# Altium PCB PCB1.PcbDoc (continued)
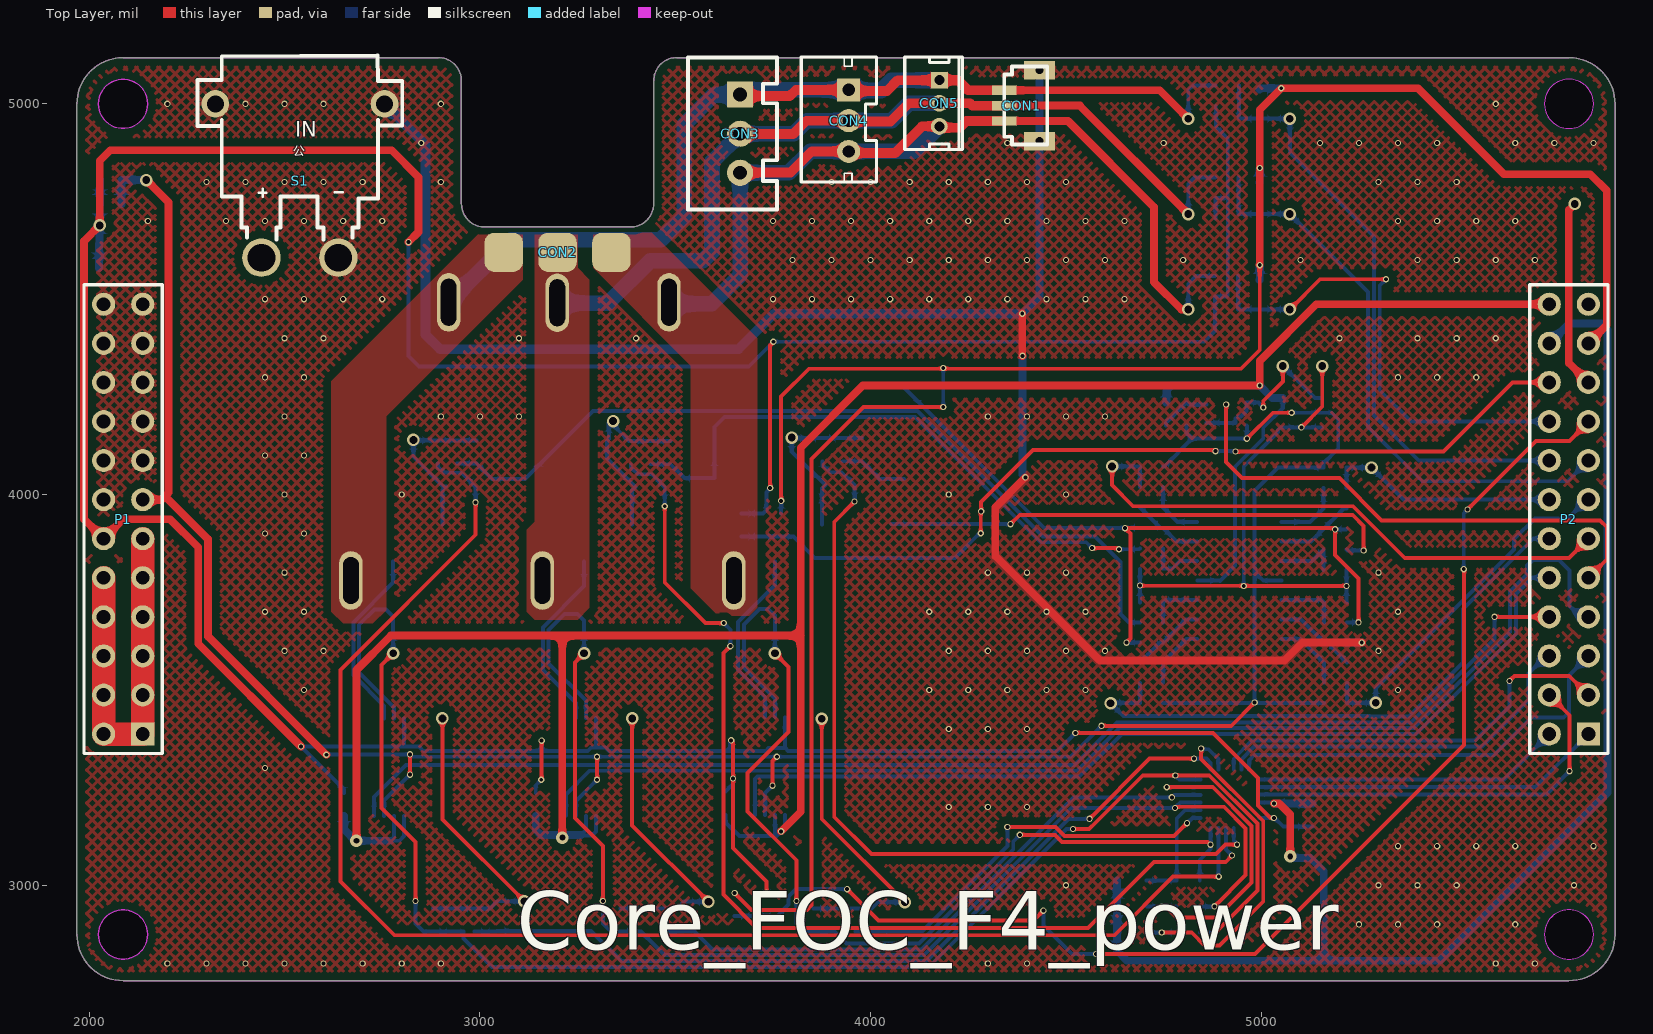
[diagram p0: Top Layer view]
## Nets (pads, with @x,y where several pads share a name; then routed paths per layer and width w, separated by ;. In a path a pad name is that pad's centre, name@x,y a point inside that pad or via, vN(x,y) a via of type N, cw(c..) or ccw(c..) an arc to the next point about the centre after c; other vN are vias at no path point)
3V3: D10.2 D11.2 D12.2 P2.21 R33.1 R34.1 | length 5606.3
  Top Layer w10: v1(3652,2980) 3695,2937 3837,2937 3849,2949 3849,4091 3982,4224 v1(4186,4224) ; v1(3771,3984) 3771,4251 3842,4322 4186,4322 4947.72,4322 4996,4370.28 v1(4996,4587)
  Top Layer w20: v1(4996,4587) 4995,4588 4996,4589 v1(4996,4836) 4996,4985 v1(5051,5040) 5401,5040 5621,4820 5842,4820 5884,4778 5884,4434 P2.21
  Bottom Layer w10: R34.1 v1(3771,3984) ; v1(4186,4224) v1(4186,4324)
  Bottom Layer w20: D12.2 4996,4549.92 v1(4996,4587) ; D11.2 4996,4799.72 v1(4996,4836) ; D10.2 4998.28,5040 v1(5051,5040)
5V: P2.19 pad7.1 | length 482.9
  Top Layer w20: v2@5802,4743 5787,4728 5787,4337.02 P2.19
  other v2: 5802,4744
12V: C16.2 C17.2 D1.1 D2.1 D3.1 P2.22 U1.4 | length 3616.3
  Top Layer w20: v1(5032.43,3209.45) 5045.55,3209.45 5074,3181 v3(5074,3074)
  Bottom Layer w10: U1.4 5028.52,3211.74 5030.81,3209.45 v1(5032.43,3209.45)
  Bottom Layer w20: D1.1 4631,2832 4656,2807 5160,2807 ; D3.1@4631.1,2878.7 D3.1@4632.2,2879.8 ; v1(5032.43,3209.45) 5032.88,3209 C17.2 ; v3@5072.9,3072.9 v3(5074,3074) 5078,3070 5125,3070 5160,3035 5160,2807 ; P2.22 5788,4438 5870,4438 5886,4422 5886,3237 5456,2807 5160,2807
A3V3: C1.2 C2.2 C18.2 IC1.5 IC1.6 IC2.5 IC2.6 IC3.5 IC3.6 IC4.5 IC5.4 P2.24 R6.1 | length 7076.2
  Top Layer w20: v3(2684,3114) 2684,3551 2772,3639 3211,3639 ; v3(3211,3122) 3211,3639 ; v1(3771,3138) 3821,3188 3821,3639 ; P2.24 5141.01,4487.01 4996,4342 v1(4996,4279) 3980,4279 3821,4120 3821,3639 ; 3211,3639 3821,3639
  Bottom Layer w10: IC1.6 2780.49,3123.49 2771,3114 2794,3114 2806.08,3126.08 IC1.5 ; IC2.6 3271.49,3141.22 3259,3128.73 3260.73,3127 3287,3127 3297.08,3137.08 IC2.5 ; C18.2 3629,3161 3664,3126 3758.76,3126 ; IC3.6 3755.49,3129.27 3758.76,3126 ; IC3.5 3781.08,3148.32 3758.76,3126 ; IC5.4 4893,3780 4894,3779 4933,3818 4933,4071.21 5005,4143.21 5005,4171 5055,4221 IC4.5
  Bottom Layer w20: C1.2 2652,3143 2681,3114 v3(2684,3114) 2771,3114 ; C2.2 3143,3142 3156.27,3128.73 3259,3128.73 ; R6.1 4758.17,4237.69 4758.17,4267.28 4769.88,4279 v1(4996,4279) 5028.2,4246.8 IC4.5
AGND: C19.1 C23.1 C27.1 C30.1 C31.1 IC1.7 IC2.7 IC3.7 IC4.2 IC5.11 P1.13 R2.2 R4.2 R8.2 | length 6771.9
  Top Layer w10: v1(2821,3283) v1(2821,3335) ; v1(3300,3270) v1(3300,3329) ; v1(3749,3255) 3749,3318 v1(3760,3329) ; v1(4591,3408) 4923,3408 v1(4983,3468) ; v1(4963,4143) 5029.4,4209.4 v1(5077.6,4209.4)
  Top Layer w20: P1.13 2185.01,3987.01 2194,3996 ; v2(2146,4805) 2203,4748 2203,4005 2194,3996 ; v1(2607,3334) 2304,3637 2304,3886.01 2194,3996
  Bottom Layer w10: v1(2607,3334) 2608,3335 v1(2821,3335) 2827,3329 v1(3300,3329) v1(3760,3329) 4512,3329 v1(4591,3408) ; IC1.7 2754.9,3216.9 v1(2821,3283) ; IC2.7 3245.9,3215.9 v1(3300,3270) ; IC3.7 3729.9,3235.9 v1(3749,3255) ; C23.1 v1@4979,3467 ; C30.1 4752,4072 4823,4143 ; R8.2 4808,4158 4823,4143 ; C19.1 4963,4175.47 v1(4963,4143) 4823,4143 ; IC5.11 5005,3780 4983,3802 ; v1@5077,4210 v1(5077.6,4209.4) IC4.2 5179.6,4209.4 5197,4192 5197,4118 5159,4080 C31.1 5043,4069 4983,4009 4983,3802 ; C27.1 v1@4979,3467 ; v1@4979,3467 4983,3471 4983,3802
  Bottom Layer w20: R4.2 R2.2 v2(2146,4805)
DAC: P2.9 R5.1 | length 1339.8
  Top Layer w10: v1(4910,4230.62) 4910,4083 4951,4042 5200,4042 5308,3934 5867,3934 5884,3917 5884,3834 P2.9
DCBUS: C6.2 C7.2 C8.2 C9.2 C10.2 C11.2 C12.2 C13.2 C14.2 C15.2 P1.1 P1.2 P1.3 P1.4 P1.5 P1.6 P1.7 P1.8 P1.9 P1.10 P1.11 Q1.2 Q2.2 Q3.2 S1.1 | length 1000
  Top Layer w60: P1.10 P1.8 P1.6 P1.4 P1.2 P1.1 P1.3 P1.5 P1.7 P1.9 P1.11
GND: C1.1 C2.1 C16.1 C17.1 C18.1 C28.1 C29.1 C32.1 C33.1 C34.1 IC1.4 IC2.4 IC3.4 NTC1.2 NTC2.2 P1.12 R1.2 R2.1 R3.2 R4.1 R53.2 R54.2 R55.2 U1.6 | length 10703.5
  Top Layer w10: v1(3157,3270) 3158,3270 v1(3158,3370) ; v1(3643,3371) 3648,3366 v1(3648,3273) 3648,3095 3733.75,3009.25 v1(3733.75,2980.58) ; v1(3743,4017) 3743,4381.38 3751,4389.38 v1(3751,4391) ; v1(4524,3390) 4876,3390 4991,3275 4991,3204 5023,3172 v1(5032,3172)
  Top Layer w20: v1(2542,3355) 2279,3618 2279,3865 2207,3937 2087,3937 P1.12 1987,3937.02 1987,4649 v2(2027,4689) 2027,4854 2054,4881 2774,4881 2843,4812 2843,4672 v1(2817,4646)
  Bottom Layer w10: C1.1 2652,3245 v1(2542,3355) 2805,3355 ; IC1.4 2806.08,3356.08 2805,3355 ; v1(2817,4646) 2817,4355 2844,4328 3688,4328 v1(3751,4391) 4854,4391 4881.47,4418.47 R55.2 4912,4507 4914,4509 4914,4759 ; C2.1 3143,3256 v1(3157,3270) ; v1(3158,3370) 3158,3344 ; IC2.4 3297.08,3356.08 3294,3353 ; C18.1 3648,3258.53 v1(3648,3273) ; v1(3643,3371) 3641,3369 3641,3344 ; C29.1 NTC2.2 3724.44,3951.53 3733.22,3960.31 3733.22,4005.59 3743,4015.38 v1(3743,4017) ; NTC1.2 v1(3733.75,2980.58) C28.1 ; IC3.4 3781.08,3351.92 3782,3351 ; v1(4524,3390) 4478,3344 3789,3344 3782,3351 ; C33.1 R54.2 4913.5,4758.5 4914,4759 ; R53.2 C32.1 4914,4911.47 4914,4759 ; U1.6 5033.63,3172.37 5056.06,3149.94 C16.1 C17.1 ; 2805,3355 2844,3355 2855,3344 3158,3344 ; 3158,3344 3276,3344 3285,3353 3294,3353 ; 3294,3353 3321,3353 3330,3344 3641,3344 ; 3641,3344 3732,3344 3739,3351 3782,3351
  Bottom Layer w20: R1.2 2025.46,4641.88 2027,4643.42 2026.23,4644.19 2026.23,4688.23 v2(2027,4689) 2027.21,4689.21 2027.21,4742.79 R4.1 R2.1
HIN1: P2.3 U1.22 | length 1081.1
  Top Layer w10: v1(5635,3523) 5648,3536 5788.02,3536 P2.3
  Bottom Layer w10: U1.22 4929.38,3323.88 4975.51,3370 5547,3370 5635,3458 v1(5635,3523)
HIN2: P2.6 U1.23 | length 963.1
  Bottom Layer w10: U1.23 4949.07,3322.35 4981.72,3355 5565,3355 5684,3474 5684,3542 5729.01,3587.01 P2.6
HIN3: P2.5 U1.24 | length 1057.7
  Bottom Layer w10: U1.24 4968.75,3319.75 4982,3333 5596,3333 5692,3429 5774,3429 5787,3442 5787,3537 P2.5
HO1: D4.2 R10.2 U1.19 | length 2152.9
  Top Layer w10: v1(4560,3170) 4714,3324 v1(4828,3324)
  Bottom Layer w10: R10.2 3041.95,2881.23 D4.2 3284.8,2883.2 3362,2806 4142.64,2806 4506.64,3170 v1(4560,3170) ; v1(4828,3324) 4860,3324 4870.33,3313.67 U1.19
HO2: D5.2 R11.2 U1.16 | length 1563.9
  Bottom Layer w10: R11.2 3519.95,2881.23 D5.2 3547.8,2883.2 3595,2836 4130.21,2836 4519.21,3225 v1(4771,3225) 4777.42,3231.42 U1.16
HO3: D6.2 R12.2 U1.13 | length 1051.4
  Top Layer w10: v1(4350,3149) 4473,3149 4496,3126 4777,3126 v1(4810,3159)
  Bottom Layer w10: R12.2 4017.95,2881.23 D6.2 4133.2,2883.2 4350,3100 v1(4350,3149) ; v1(4810,3159) 4823.37,3172.37 U1.13
IA: C23.2 P2.12 pad6.1 R17.2 | length 1532.7
  Bottom Layer w10: R17.2 C23.2 4615,3467 v2(4614,3466) 4647,3433 5277.5,3433 5278.5,3432 5377.36,3432 5516,3570.64 5516,3707 5696.01,3887.01 P2.12
IA+: C24.1 Q4.3 R18.1 R27.2 R36.2 | length 2139.1
  Bottom Layer w10: R27.2 2990.94,4079.54 C24.1 3030.58,4039.89 R36.2 3289.11,4214 4120,4214 4441,3893 4574,3893 4640,3827 4640,3694 4661.4,3672.6 R18.1
IA-: R16.1 R32.1 R36.1 R37.1 R38.1 R40.1 R42.2 R46.1 | length 1951.9
  Top Layer w10: v1(4655,3621) 4665,3631 4665,3900 v1(4651,3914) 5186,3914 v1(5189,3911) 5189,3845 5249,3785 v1(5249,3673)
  Bottom Layer w10: R38.1 4444.34,3914.8 R40.1 ; v1(4655,3621) 4655.2,3621.2 R16.1 ; v1(5189,3911) 5217.26,3911 R46.1 ; R32.1 5219.93,3673 v1(5249,3673)
IB: C30.2 P2.11 pad15.1 R41.2 | length 1488.2
  Top Layer w10: v2(4618,4072) 4618,4024 4672,3970 5235,3970 5367,3838 5788,3838 P2.11
  Bottom Layer w10: v2(4618,4072) C30.2 R41.2
IB+: C25.1 Q5.3 R28.2 R37.2 R43.1 | length 1550.5
  Top Layer w10: v1(4567,3863) 4630.94,3863 4633.94,3860 v1(4635.56,3860)
  Bottom Layer w10: R28.2 C25.1 3523.65,4041.89 R37.2 3600,4173 3626,4199 4113.79,4199 4434.79,3878 4552,3878 v1(4567,3863) ; v1(4635.56,3860) 4687.07,3860 R43.1
IBUS: C27.2 P2.13 pad14.1 R31.2 | length 922.4
  Bottom Layer w10: R31.2 C27.2 v2(5293,3467) 5293,3505.21 5647,3859.21 5647,3886 5700,3939 5785,3939 5833.01,3987.01 P2.13
IBUS-: C6.1 C7.1 C8.1 C9.1 C10.1 C11.1 C12.1 C13.1 C14.1 C15.1 CON1.0 P1.14 P1.15 P1.16 P1.17 P1.18 P1.19 P1.20 P1.21 P1.22 P1.23 P1.24 R1.1 R3.1 R30.1 R42.1 S1.2 S1.3 S1.4 | length 4617.8
  Top Layer w20: v1(4388,4463) 4388,4356 v1(4389,4355) ; v1(4396,4044) 4319,3967 4319,3843 4587,3575 5059,3575 5105,3621 v1(5257,3621) v1@5258,3621
  Bottom Layer w20: v1(4388,4463) 4432,4507 v2(4432,4904.82) 4432.55,4905.37 v2(4432.55,5085.92) ; v1(4389,4355) 4389,4051 v1(4396,4044) ; R30.1 5219.73,3621 v1(5257,3621)
  Bottom Layer w25: S1.4 2861,4894.9 2861,4409 2898,4372 3662,4372 3753,4463 v1(4388,4463)
  other v1: 2200,2800 2300,2800 2400,2800 2500,2800 2600,2800 2700,2800 2800,2800 2900,2800 4300,2800 4400,2800 5600,2800 5700,2800 5250,2900 5350,2900 5450,2900 5650,2900 4500,3000 5300,3000 5400,3000 5500,3000 5800,3000 5350,3100 5450,3100 5550,3100 5650,3100 5850,3100 4200,3200 4300,3200 4400,3200 2450,3300 4200,3400 4300,3400 4400,3400 2550,3500 4150,3500 4250,3500 4350,3500 4450,3500 4550,3500 5350,3500 2500,3600 2600,3600 4200,3600 4300,3600 4400,3600 4500,3600 4600,3600 5300,3600 2450,3700 2550,3700 4150,3700 4250,3700 4350,3700 4450,3700 4550,3700 5350,3700 2500,3800 4300,3800 4400,3800 4500,3800 5300,3800 2450,3900 2550,3900 2500,4000 2800,4000 4200,4000 4500,4000 2450,4100 2550,4100 2500,4200 2900,4200 3000,4200 3100,4200 4300,4200 4400,4200 4500,4200 4600,4200 2450,4300 2550,4300 5350,4300 5450,4300 5550,4300 2500,4400 2600,4400 3100,4400 3400,4400 5200,4400 5400,4400 5500,4400 5600,4400 2450,4500 2550,4500 2650,4500 2750,4500 3750,4500 3850,4500 3950,4500 4050,4500 4150,4500 4250,4500 4350,4500 4450,4500 4550,4500 4650,4500 3800,4600 3900,4600 4000,4600 4100,4600 4200,4600 4300,4600 4400,4600 4500,4600 4600,4600 4800,4600 5100,4600 5400,4600 5500,4600 5600,4600 5700,4600 2150,4700 2350,4700 2450,4700 2550,4700 2650,4700 2750,4700 3750,4700 3850,4700 3950,4700 4050,4700 4150,4700 4250,4700 4350,4700 4450,4700 4550,4700 4650,4700 5350,4700 5450,4700 5550,4700 5650,4700 2300,4800 2400,4800 2500,4800 2600,4800 2700,4800 2900,4800 3900,4800 4000,4800 4100,4800 4200,4800 4300,4800 4400,4800 4500,4800 5300,4800 5400,4800 5500,4800 2850,4900 4350,4900 4750,4900 5150,4900 5250,4900 5350,4900 5450,4900 5650,4900 5750,4900 5850,4900 2200,5000 2400,5000 2500,5000 2600,5000 2900,5000 5600,5000
IC: C31.2 P2.14 pad16.1 R47.2 | length 605.3
  Bottom Layer w10: R47.2 C31.2 v2(5282,4069) 5363.99,3987.01 P2.14
IC+: C26.1 Q6.3 R29.2 R38.2 R51.1 | length 1514.7
  Top Layer w10: v1(4357.87,3924.13) 4381.75,3948 5234,3948 5262,3920 v1(5262,3857)
  Bottom Layer w10: R29.2 C26.1 4023.45,4039.89 R38.2 ; Q6.3 v1(4357.87,3924.13) v1@4358,3924 ; R51.1 5220.46,3857 v1(5262,3857)
LIN1: P2.2 U1.1 | length 790.5
  Bottom Layer w10: U1.1 5620.79,3270.79 P2.2
LIN2: P2.1 U1.2 | length 898.7
  Bottom Layer w10: U1.2 5701.11,3251.11 P2.1
LIN3: P2.4 U1.3 | length 1036.8
  Top Layer w10: P2.4 5789,3435.02 v1(5789,3292)
  Bottom Layer w10: U1.3 4994.64,3232.78 5729.78,3232.78 v1(5789,3292)
LO1: D7.2 R24.2 U1.11 | length 3771
  Top Layer w10: v1(2989,3980) 2989,3897 2643,3551 2643,3010 2781,2872 4624,2872 4774,3022 v1(4891,3022)
  Bottom Layer w10: R24.2 2893,4071 2908,4056 2918.94,4056 2919.19,4055.76 2953.05,4055.76 D7.2 2989,4019.8 v1(2989,3980) ; U1.11 4890.01,3022.99 v1(4891,3022)
LO2: D8.2 R25.2 U1.10 | length 2753.8
  Top Layer w10: v1(3473,3970) 3473,3775 3577,3671 v1(3624,3671) ; v1(3641,3612) 3623,3594 3623,2976 3708,2891 4556,2891 4725,3060 4909,3060 v1(4925,3076)
  Bottom Layer w10: R25.2 3386,4070 3404,4052 3439.8,4052 D8.2 3473,4018.8 v1(3473,3970) ; v1(3624,3671) 3641,3654 v1(3641,3612) ; U1.10 4909.7,3091.3 v1(4925,3076)
LO3: D9.2 R26.2 U1.9 | length 2109.8
  Top Layer w10: v1(3959,3982) 3907,3930 3907,3175 4002,3080 4884,3080 4908,3104 v1(4938,3104)
  Bottom Layer w10: R26.2 3877,4076 3896,4057 3926,4057 D9.2 v1(3959,3982) ; U1.9 4929.38,3114.24 4938,3105.62 v1(4938,3104)
MA: CON1.1 CON2.3 CON3.1 CON4.1 CON5.1 IC1.2 pad8.1 pad.3@2670,3780 pad.3@2920,4492 R20.2 R48.1 | length 3463.4
  Top Layer w20: CON1.1 4740.26,5034.74 v2(4813,4962)
  Top Layer w25: CON3.1 3669.52,5020 3793,5020 3808.74,5035.74 CON4.1 3946.61,5033 4042,5033 4069.46,5060.46 CON5.1 4223.54,5060.46 4249.26,5034.74 CON1.1
  Bottom Layer w10: IC1.2 2754.9,3459.1 2676,3538 2676,3673 2778,3775 R20.2 ; v2(4813,4962) 4813,5035 4825,5047 R48.1
  Bottom Layer w40: pad.3@2920,4492 3080,4652 3463,4652 3523,4712 3523,4947 3599.52,5023.52 CON3.1 3678.22,5035.74 CON4.1 3945.61,5034 4027,5034 4053.46,5060.46 CON5.1
MA_ADC: IC1.8 P2.8 | length 3281
  Top Layer w10: v1(5597,3687) P2.8
  Bottom Layer w10: IC1.8 2729.31,3226.31 2811,3308 4521.57,3308 4630.57,3417 5383.57,3417 5597,3630.43 v1(5597,3687)
MB: CON1.2 CON2.2 CON3.2 CON4.2 CON5.2 IC2.2 pad9.1 pad.3@3160,3780 pad.3@3198,4491 R21.2 R49.1 | length 3256.5
  Top Layer w20: CON1.2 4535.63,4995.37 v2(4813,4718)
  Top Layer w25: CON3.2 3666.52,4923 3802,4923 3836,4957 CON4.2 3945.87,4955 4051,4955 4097.41,5001.41 CON5.2 4254.59,5001.41 4260.63,4995.37 CON1.2
  Bottom Layer w10: IC2.2 3245.9,3466.1 3161,3551 3161,3660 3266.5,3765.5 R21.2 ; v2(4813,4718) 4813,4795 4829,4811 R49.1
  Bottom Layer w40: pad.3@3198,4491 3204,4490 3328,4490 3436,4598 3570.57,4598 3594,4621.43 3594,4851.52 CON3.2 3666.52,4923 3803,4923 3837,4957 CON4.2 4054,4957 4098.41,5001.41 CON5.2
MB_ADC: IC2.8 P2.7 | length 3107.3
  Bottom Layer w10: IC2.8 3220.31,3232.31 3281,3293 4527.79,3293 4636.79,3402 5389.79,3402 5636.39,3648.61 5636.39,3751.61 5680,3795.21 5680,3818 5695,3833 5762,3833 5789,3806 5789,3715 5816.99,3687.01 P2.7
MC: CON1.3 CON2.1 CON3.3 CON4.3 CON5.3 IC3.2 pad10.1 pad.3@3484,4492 pad.3@3650,3780 R22.2 R50.1 | length 3163.3
  Top Layer w20: CON1.3 4505,4956 4725,4736 4725,4544 4795,4474 v2(4813,4474)
  Top Layer w25: CON3.3 3666.48,4824 3795,4824 3849.26,4878.26 CON4.3 3948.13,4874 4063,4874 4131.35,4942.35 CON5.3 4179.25,4939 4228.73,4939 4245.73,4956 CON1.3
  Bottom Layer w10: IC3.2 3729.9,3482.1 3661,3551 3661,3674 3755,3768 R22.2 ; v2(4813,4474) 4813,4539 4833,4559 R50.1
  Bottom Layer w40: pad.3@3484,4492 3488,4488 3593,4488 3666,4561 CON3.3 3790.52,4823.52 3845.26,4878.26 CON4.3 4111.8,4878.26 CON5.3
MC_ADC: IC3.8 P2.10 | length 2398.4
  Bottom Layer w10: IC3.8 3704.31,3272.14 3710.16,3278 4534,3278 4643,3387 5396,3387 5651.39,3642.39 5651.39,3745.39 5693.01,3787.01 P2.10
NetC19_2: C19.2 IC4.1 pad1.1 R5.2 R7.2 | length 451.9
  Top Layer w10: v1(5005,4223) 5005,4239 5055,4289 v2(5055,4329)
  Bottom Layer w10: R7.2 4860.62,4183.38 R5.2 4934.28,4183.38 4934.28,4194.39 4940.14,4200.25 4948.25,4200.25 4962,4214 C19.2 4992.47,4235.53 v1(5005,4223) ; v2(5055,4329) 5137.2,4246.8 IC4.1
NetC20_2: C20.2 D4.1 pad2.1 Q1.1 R10.1 R13.1 | length 796.8
  Top Layer w10: v2(2904.23,3427.13) 2904.23,3168.77 v2(3114,2959)
  Bottom Layer w10: C20.2 R13.1 R10.1 3026.2,2940.28 D4.1 3044.92,2959 v2(3114,2959)
NetC21_2: C21.2 D5.1 pad3.1 Q2.1 R11.1 R14.1 | length 782.3
  Top Layer w10: v2(3389.73,3427.13) 3389.73,3153.27 v2(3585,2958)
  Bottom Layer w10: C21.2 R14.1 R11.1 3504.2,2940.28 D5.1 v2(3585,2958)
NetC22_2: C22.2 D6.1 pad4.1 Q3.1 R12.1 R15.1 | length 799
  Top Layer w10: v2(3875,3426) 3875,3170 v2(4088,2957)
  Bottom Layer w10: C22.2 R15.1 R12.1 4002.2,2940.28 D6.1 4020.92,2957 v2(4088,2957)
NetC24_2: C24.2 D7.1 pad11.1 Q4.1 R24.1 R27.1 | length 420.7
  Bottom Layer w10: Q4.1 2904.23,4012.23 D7.1 2905.83,4021 2830,4096.83 v2(2830,4140) 2831.47,4138.53 C24.2
NetC25_2: C25.2 D8.1 pad12.1 Q5.1 R25.1 R28.1 | length 483.5
  Bottom Layer w10: v2(3341,4188) 3329.97,4176.97 3329.97,4141.97 pad12.1 3325,4092 D8.1 3389.73,4010.73 Q5.1 ; v2@3341,4192 3345.21,4187.79 3345.21,4173.44 3382.06,4136.59 R28.1 C25.2
NetC26_2: C26.2 D9.1 pad13.1 Q6.1 R26.1 R29.1 | length 443
  Bottom Layer w10: Q6.1 3875.23,4015.03 D9.1 3798,4110.2 v2(3798,4146) 3799.61,4144.39 R26.1 R29.1 C26.2
NetIC5_1: IC5.1 R9.2 R17.1 | length 163.8
  Bottom Layer w10: R17.1 R9.2 4808.73,3630 IC5.1
NetIC5_2: IC5.2 R9.1 R16.2 | length 192.2
  Bottom Layer w10: R9.1 4740.87,3621.2 R16.2 4807.33,3680 IC5.2
NetIC5_3: IC5.3 R18.2 R19.2 | length 141.4
  Bottom Layer w10: R18.2 R19.2 4754.53,3730 IC5.3
NetIC5_5: IC5.5 R43.2 R44.2 | length 148.2
  Bottom Layer w10: R43.2 R44.2 4772,3810 4792,3830 IC5.5
NetIC5_6: IC5.6 R39.1 R40.2 | length 182.6
  Bottom Layer w10: R39.1 4741.87,3914.8 R40.2 4783.33,3880 IC5.6
NetIC5_7: IC5.7 R39.2 R41.1 | length 155.3
  Bottom Layer w10: R41.1 R39.2 4785.73,3930 IC5.7
NetIC5_8: IC5.8 R45.2 R47.1 | length 174.3
  Bottom Layer w10: IC5.8 5124.8,3930 R45.2 R47.1
NetIC5_9: IC5.9 R45.1 R46.2 | length 201.7
  Bottom Layer w10: IC5.9 5127.2,3880 R46.2 5211.4,3964.2 R45.1
NetIC5_10: IC5.10 R51.2 R52.2 | length 172.3
  Bottom Layer w10: IC5.10 5129.6,3830 R51.2 R52.2
NetIC5_12: IC5.12 R32.2 R35.2 | length 163.1
  Bottom Layer w10: IC5.12 5154.47,3730 R35.2 R32.2
NetIC5_13: IC5.13 R23.1 R30.2 | length 213.9
  Bottom Layer w10: IC5.13 5101.67,3680 R30.2 5168.13,3621.2 R23.1
NetIC5_14: IC5.14 R23.2 R31.1 | length 185.5
  Bottom Layer w10: IC5.14 5100.27,3630 R23.2 R31.1
NetR6_2: R6.2 R7.1 R8.1 | length 134.9
  Bottom Layer w10: R6.2 4756,4183.53 R8.1 4813.53,4230 R7.1
NTC1: C28.2 NTC1.1 P2.17 R33.2 | length 3251.6
  Top Layer w10: v1(3940,2990) 4020,2910 4417,2910 v1(4442,2935) ; v1(4577,2824) 4984,2824 5519,3359 5519,3808 v1(5518,3809) ; v1(5528,3962) 5703,4137 5789,4137 5837.01,4185.01 P2.17
  Bottom Layer w10: R33.2 NTC1.1 C28.2 3790,2950.53 3790,2971 3809,2990 v1(3940,2990) ; v1(4442,2935) 4442,2897 4515,2824 v1(4577,2824) ; v1(5518,3809) 5518,3952 v1(5528,3962)
NTC2: C29.2 NTC2.1 P2.20 R34.2 | length 2347.9
  Top Layer w10: v1(4282,3901) 4282,3956 v1(4283,3957) 4283,3981 4416,4114 4886,4114 v1(4883,4111) ; v1(4934,4110) 5466,4110 5643.01,4287.01 P2.20
  Bottom Layer w10: C29.2 NTC2.1 R34.2 3802.53,3892.47 3857,3838 4216,3838 4284,3906 4284,3903 v1(4282,3901) ; v1(4883,4111) v1@4935,4111 ; v1(4934,4110) v1@4935,4111 ; v1@4935,4111 4936,4112 4937,4112 4936,4111 v1@4935,4111
VA: C32.2 D10.1 P2.16 pad17.1 R48.2 R53.1 | length 1561.2
  Bottom Layer w10: R48.2 4942.53,4962 D10.1 v2(5073,4962) 5073,4875 5288,4660 5288,4202 5402.99,4087.01 P2.16
VB: C33.2 D11.1 P2.15 pad18.1 R49.2 R54.1 | length 1495.3
  Bottom Layer w10: R49.2 4942.06,4718 v2(5073,4718) 5273,4518 5273,4173 5412,4034 5784,4034 P2.15
VB1: C5.2 D3.2 U1.20 | length 935.7
  Top Layer w10: v1(4745.24,2879) 4822,2879 4855,2846 4893,2846 5005,2958 5005,3164 4846,3323 v1(4846,3350)
  Bottom Layer w10: D3.2 v1(4745.24,2879) C5.2 ; v1(4846,3350) 4848,3348 4865,3348 4890.01,3322.99 U1.20
VB2: C4.2 D2.2 U1.17 | length 844.8
  Top Layer w10: v1(4745.39,2945.5) 4754.5,2945.5 4783,2917 4885,2917 4975,3007 4975,3151.57 4875.57,3251 v1(4758,3251)
  Bottom Layer w10: D2.2 4707.3,2945.5 v1(4745.39,2945.5) C4.2 ; v1(4758,3251) 4758.11,3251.11 U1.17
VB3: C3.2 D1.2 U1.14 | length 306.1
  Bottom Layer w10: D1.2 C3.2 4783.47,3170.47 4805.05,3192.05 U1.14
VC: C34.2 D12.1 P2.18 pad19.1 R50.2 R55.1 | length 1254.6
  Top Layer w10: v2(5073,4474) 5150,4551 v1(5319,4551)
  Bottom Layer w10: R50.2 4940.53,4473 4941.53,4474 v2(5073,4474) ; v1(5319,4551) 5303,4535 5303,4267 5382.99,4187.01 P2.18
Vref: IC4.3 IC4.4 pad5.1 R19.1 R35.1 R44.1 R52.1 | length 1428.4
  Top Layer w10: v1(4689.47,3767) 4689.97,3766.5 4954.5,3766.5 v1(4955,3766) 4955.12,3766.12 5217.94,3766.12 v1(5218.06,3766.24) ; v1(5102.4,4172) 5156,4225.6 v2(5156,4329)
  Bottom Layer w10: R19.1 v1(4689.47,3767) R44.1 ; v1(4955,3766) 4955,4072 5043.06,4160.06 5043.06,4165.26 5049.8,4172 IC4.4 v1(5102.4,4172) IC4.3 ; R52.1 v1(5218.06,3766.24) 5218.06,3725.47 R35.1
VS1: C5.1 C20.1 IC1.3 Q1.3 Q4.2 R13.2 R20.1 U1.18 | length 4119.8
  Top Layer w10: v2(2778,3594) 2748,3564 2748,3198 2835.33,3110.67 v1(2835.33,2960) ; v1(4518,3144) 4559.46,3144 4578,3162.54 4696.46,3281 4866.79,3281 4990,3157.79 4990,2987 v1(4881,2878)
  Bottom Layer w10: v2(2778,3594) 2778,3688 2760,3706 2730.21,3706 2691,3666.79 2691,3544.21 2780.49,3454.73 IC1.3 ; v1(2835.33,2960) 2835.33,2902 2856.1,2881.23 C20.1 R13.2 2958.33,2881.23 2958.33,2863.31 3030.63,2791 4148.85,2791 4501.85,3144 v1(4518,3144) ; v1(4780,3281) 4790.21,3270.79 U1.18 ; C5.1 4880,2879 v1(4881,2878)
VS2: C4.1 C21.1 IC2.3 Q2.3 Q5.2 R14.2 R21.1 U1.15 | length 3394.9
  Top Layer w10: v2(3266.5,3594) 3243,3570.5 3243,3172 3314.67,3100.33 v1(3314.67,2960) ; v1(4779,3198) 4782,3201 4904.36,3201 4960,3145.36 4960,3026 v1(4880,2946)
  Bottom Layer w10: v2(3266.5,3594) 3266.5,3677.5 3250,3694 3216.21,3694 3176,3653.79 3176,3568 3271.49,3472.51 IC2.3 ; v1(3314.67,2960) 3314.67,2902 3335.44,2881.23 C21.1 R14.2 3472.58,2821 4136.43,2821 4513.43,3198 v1(4779,3198) 4792.74,3211.74 U1.15 ; C4.1 4879.5,2945.5 v1(4880,2946)
VS3: C3.1 C22.1 IC3.3 Q3.3 Q6.2 R15.2 R22.1 U1.12 | length 2635.1
  Top Layer w10: v2(3755,3594) 3790,3559 3790,3392 3685,3287 3685,3189 3810,3064 v1(3810,2960) ; v1(4382,3129) 4471.79,3129 4489.79,3111 4863,3111 v1(4870,3104)
  Bottom Layer w10: v2(3755,3594) 3755,3690 3738,3707 3715.21,3707 3676,3667.79 3676,3557.21 3755.49,3477.73 IC3.3 ; v1(3810,2960) 3810,2902 3830.77,2881.23 C22.1 R15.2 3937.92,2851 4124,2851 4365,3092 4365,3112 v1(4382,3129) ; C3.1 4842.53,3064.53 4870.33,3092.33 U1.12
pads on no net: IC1.1 IC2.1 IC3.1 P2.23 U1.5 U1.7 U1.8 U1.21 U1.25

## Polygon pours and split planes (outlines as drawn)
IBUS- on Bottom Layer "IBUS-_L02_P018" (hatched 45Degree grid 20 track 8, pour order 18): 2086.61,2755.91 cw(c2086.61,2874.02) 1968.5,2874.02 1968.5,5000 cw(c2086.61,5000) 2086.61,5118.11 2893.7,5118.11 cw(c2893.7,5059.06) 2952.76,5059.06 2952.76,4744.09 ccw(c3011.81,4744.09) 3011.81,4685.04 3385.83,4685.04 ccw(c3385.83,4744.09) 3444.88,4744.09 3444.88,5059.06 cw(c3503.94,5059.06) 3503.94,5118.11 5787.4,5118.11 cw(c5787.4,5000) 5905.51,5000 5905.51,2874.02 cw(c5787.4,2874.02) 5787.4,2755.91
DCBUS on Bottom Layer "DCBUS_L02_P000" (solid, remove dead copper, pour order 0): 2310,3050 2330,3030 2430,3030 2460,3060 2460,3200 2530,3270 4070,3270 4100,3240 4100,3020 4090,3010 2870,3010 2710,2850 2280,2850 2150,2980 2050,2980 1990,3040 1990,3820 2000,3830 2070,3830 2090,3850 2090,3910 2110,3930 2190,3930 2230,3970 2230,4610 2280,4660 2490,4660 2510,4640 2510,4580 2480,4550 2340,4550 2310,4520
IA+ on Bottom Layer "IA+_L02_P016" (solid, remove dead copper, pour order 16): 3180,4000 3120,3940 3120,3860 3050,3860 3050,4080 3180,4080
IB+ on Bottom Layer "IB+_L02_P015" (solid, remove dead copper, pour order 15): 3665,4002 3605,3942 3605,3862 3535,3862 3535,4082 3665,4082
IC+ on Bottom Layer "IC+_L02_P014" (solid, remove dead copper, pour order 14): 4150,4000 4090,3940 4090,3860 4020,3860 4020,4080 4150,4080
IA- on Bottom Layer "IA-_L02_P013" (solid, remove dead copper, pour order 13): 4150,4310 4150,4240 2630,4240 2630,4310
VS1 on Bottom Layer "VS1_L02_P003" (solid, remove dead copper, pour order 3): 2780,3660 2710,3660 2710,3550 2750,3510 2960,3510 2970,3500 2970,3360 3120,3360 3120,3760 3100,3780 2900,3780
MC on Bottom Layer "MC_L02_P008" (solid, remove dead copper, pour order 8): 3617,3870 3597,3850 3597,3710 3627,3680 3757,3680 3827,3750 3827,3870
MB on Bottom Layer "MB_L02_P007" (solid, remove dead copper, pour order 7): 3128.5,3870 3108.5,3850 3108.5,3710 3138.5,3680 3268.5,3680 3338.5,3750 3338.5,3870
MA on Bottom Layer "MA_L02_P006" (solid, remove dead copper, pour order 6): 2640,3870 2620,3850 2620,3710 2650,3680 2780,3680 2850,3750 2850,3870
VS3 on Bottom Layer "VS3_L02_P005" (solid, remove dead copper, pour order 5): 3751,3660 3681,3660 3681,3550 3721,3510 3931,3510 3941,3500 3941,3360 4091,3360 4091,3760 4071,3780 3871,3780
VS2 on Bottom Layer "VS2_L02_P004" (solid, remove dead copper, pour order 4): 3265.5,3660 3195.5,3660 3195.5,3550 3235.5,3510 3445.5,3510 3455.5,3500 3455.5,3360 3605.5,3360 3605.5,3760 3585.5,3780 3385.5,3780
IBUS- on Bottom Layer "IBUS-_L02_P001" (solid, remove dead copper, pour order 1): 2595,4310 2625,4340 2630,4340 2760,4340 2800,4380 2800,5050 2780,5070 2780,5080 2300,5080 2280,5060 2280,4850 2140,4710 2101.77,4710 2071.77,4680 2070,4680 2060,4670 2060,4540 2040,4520 2010,4520 1990,4500 1990,3950 2000,3940 2080,3940 2090,3950 2090,4020 2110,4040 2170,4040 2190,4060 2190,4610 2270,4690 2530,4690 2550,4670 2550,4590 2480,4520 2360,4520 2350,4510 2350,3060 2360,3050 2420,3050 2430,3060 2430,3900 2680,3900 2780,4000 2780,4080 2770,4090 2630,4090 2595,4125
IBUS- on Top Layer "IBUS-_L01_P017" (hatched 45Degree grid 20 track 8, pour order 17): 2086.61,2755.91 cw(c2086.61,2874.02) 1968.5,2874.02 1968.5,5000 cw(c2086.61,5000) 2086.61,5118.11 2893.7,5118.11 cw(c2893.7,5059.06) 2952.76,5059.06 2952.76,4744.09 ccw(c3011.81,4744.09) 3011.81,4685.04 3385.83,4685.04 ccw(c3385.83,4744.09) 3444.88,4744.09 3444.88,5059.06 cw(c3503.94,5059.06) 3503.94,5118.11 5787.4,5118.11 cw(c5787.4,5000) 5905.51,5000 5905.51,2874.02 cw(c5787.4,2874.02) 5787.4,2755.91
MC on Top Layer "MC_L01_P011" (solid, pour order 11): 3290,4670 3290,4580 3540,4330 3540,3760 3610,3690 3690,3690 3710,3710 3710,4400 3440,4670
MB on Top Layer "MB_L01_P010" (solid, remove dead copper, pour order 10): 3140,4670 3140,3930 3120,3910 3120,3700 3140,3680 3250,3680 3280,3710 3280,4550 3250,4580 3250,4670
MA on Top Layer "MA_L01_P009" (solid, remove dead copper, pour order 9): 3000,4670 2620,4290 2620,3700 2650,3670 2730,3670 2760,3700 2760,4200 3110,4550 3110,4670
no net on Bottom Solder "NONET_L-01_P-001" (solid): 2480,4300 2480,4170 2560,4090 2770,4090 2780,4080 2780,4000 2760,3980 2420,3980 2380,4020 2380,4480 2420,4520 2540,4520 2570,4550 2570,4680 2520,4730 2310,4730 2190,4610 2190,4060 2170,4040 2110,4040 2090,4020 2090,3950 2080,3940 2000,3940 1990,3950 1990,4500 2010,4520 2040,4520 2060,4540 2060,4670 2090,4700 2140,4700 2280,4840 2280,4940 2270,4940 2270,5040 2290,5060 2770,5060 2790,5040 2790,4610
no net on Bottom Solder "NONET_L-01_P-001" (solid): 2110,3930 2090,3910 2090,3850 2070,3830 2000,3830 1990,3820 1990,3340 2000,3330 2279,3330 2279,3899 2248,3930

## Keep-outs
Keep-Out Layer:
  circle w0.5: c2086.61,5000 r62.99
  circle w0.5: c5787.4,5000 r62.99
  circle w0.5: c5787.4,2874.02 r62.99
  circle w0.5: c2086.61,2874.02 r62.99
  lines w0.5: 1968.5,2874.02 ccw(c2086.61,2874.02) 2086.61,2755.91 5787.4,2755.91 ccw(c5787.4,2874.02) 5905.51,2874.02 5905.51,5000 ccw(c5787.4,5000) 5787.4,5118.11 3503.94,5118.11 ccw(c3503.94,5059.06) 3444.88,5059.06 3444.88,4744.09 cw(c3385.83,4744.09) 3385.83,4685.04 3011.81,4685.04 cw(c3011.81,4744.09) 2952.76,4744.09 2952.76,5059.06 ccw(c2893.7,5059.06) 2893.7,5118.11 2086.61,5118.11 ccw(c2086.61,5000) 1968.5,5000 1968.5,2874.02

## Silkscreen, mask and mechanical layers (free items; w line width, h text height)
Top Overlay:
  text "Core_FOC_F4_power" at 3094,2834.98 h150
Bottom Overlay:
  drawing of 59 lines, arcs and shapes, not listed
  text "P/A-GND" at 2585,4760 h60
Top Solder:
  lines w60: 2670,3780 2670,4229 3058,4617 ; 3160,3780 3160,3891 3197,3928 3197,4618 ; 3339,4621 3650,4310 3650,3780
Bottom Solder:
  lines w10: 2960,3590 2970,3600
  lines w50: 2270,3110 2276,3116 ; 2390,4460 2560,4460 2637.8,4537.8 2637.8,4606.3 2760,4728.5 ; 2755.91,5000 2760,4995.9
  lines w60: 2390,3110 2390,4460 ; 2440.95,4606.3 2326.3,4606.3 2276,4556 2276,3116 2276,2980 2317,2939 2729,2939 2851,3061 3933,3061 3951,3043 ; 2670,3780 2670,3790 2710,3830 2790,3830 ; 2684,4276 4084,4276 ; 2772,3595 2962,3595 ; 3081,3919 3081,4041 ; 3160,3780 3160,3790 3200,3830 3280,3830 ; 3264,3595 3454,3595 ; 3566,3917 3566,4039 ; 3650,3780 3650,3790 3690,3830 3770,3830 ; 3753,3595 3943,3595 ; 4053,3922 4053,4044
Mechanical 1:
  circle w0.5: c2086.61,5000 r62.99
  circle w0.5: c5787.4,5000 r62.99
  circle w0.5: c5787.4,2874.02 r62.99
  circle w0.5: c2086.61,2874.02 r62.99
  lines w0.5: 1968.5,2874.02 ccw(c2086.61,2874.02) 2086.61,2755.91 5787.4,2755.91 ccw(c5787.4,2874.02) 5905.51,2874.02 5905.51,5000 ccw(c5787.4,5000) 5787.4,5118.11 3503.94,5118.11 ccw(c3503.94,5059.06) 3444.88,5059.06 3444.88,4744.09 cw(c3385.83,4744.09) 3385.83,4685.04 3011.81,4685.04 cw(c3011.81,4744.09) 2952.76,4744.09 2952.76,5059.06 ccw(c2893.7,5059.06) 2893.7,5118.11 2086.61,5118.11 ccw(c2086.61,5000) 1968.5,5000 1968.5,2874.02

## Text inside footprints (layer, text, board x,y; h text height)
S1: Top Overlay "公" at 2520.8,4860.3 h40; Top Overlay "IN" at 2527.8,4916.3 h39.37